# Altium PCB STM32F405.PcbDoc (part 3 of 5)
Units mm, origin at the board's own origin, x right, y up, seen from the top; angles counter-clockwise.
Board outline 430.02 x 145.03 mm, 2 copper layers (Top Layer, Bottom Layer); 243 components, 243 nets, 1346 pads, 2611 vias.
Unrouted connection lines stored in the file: 128.
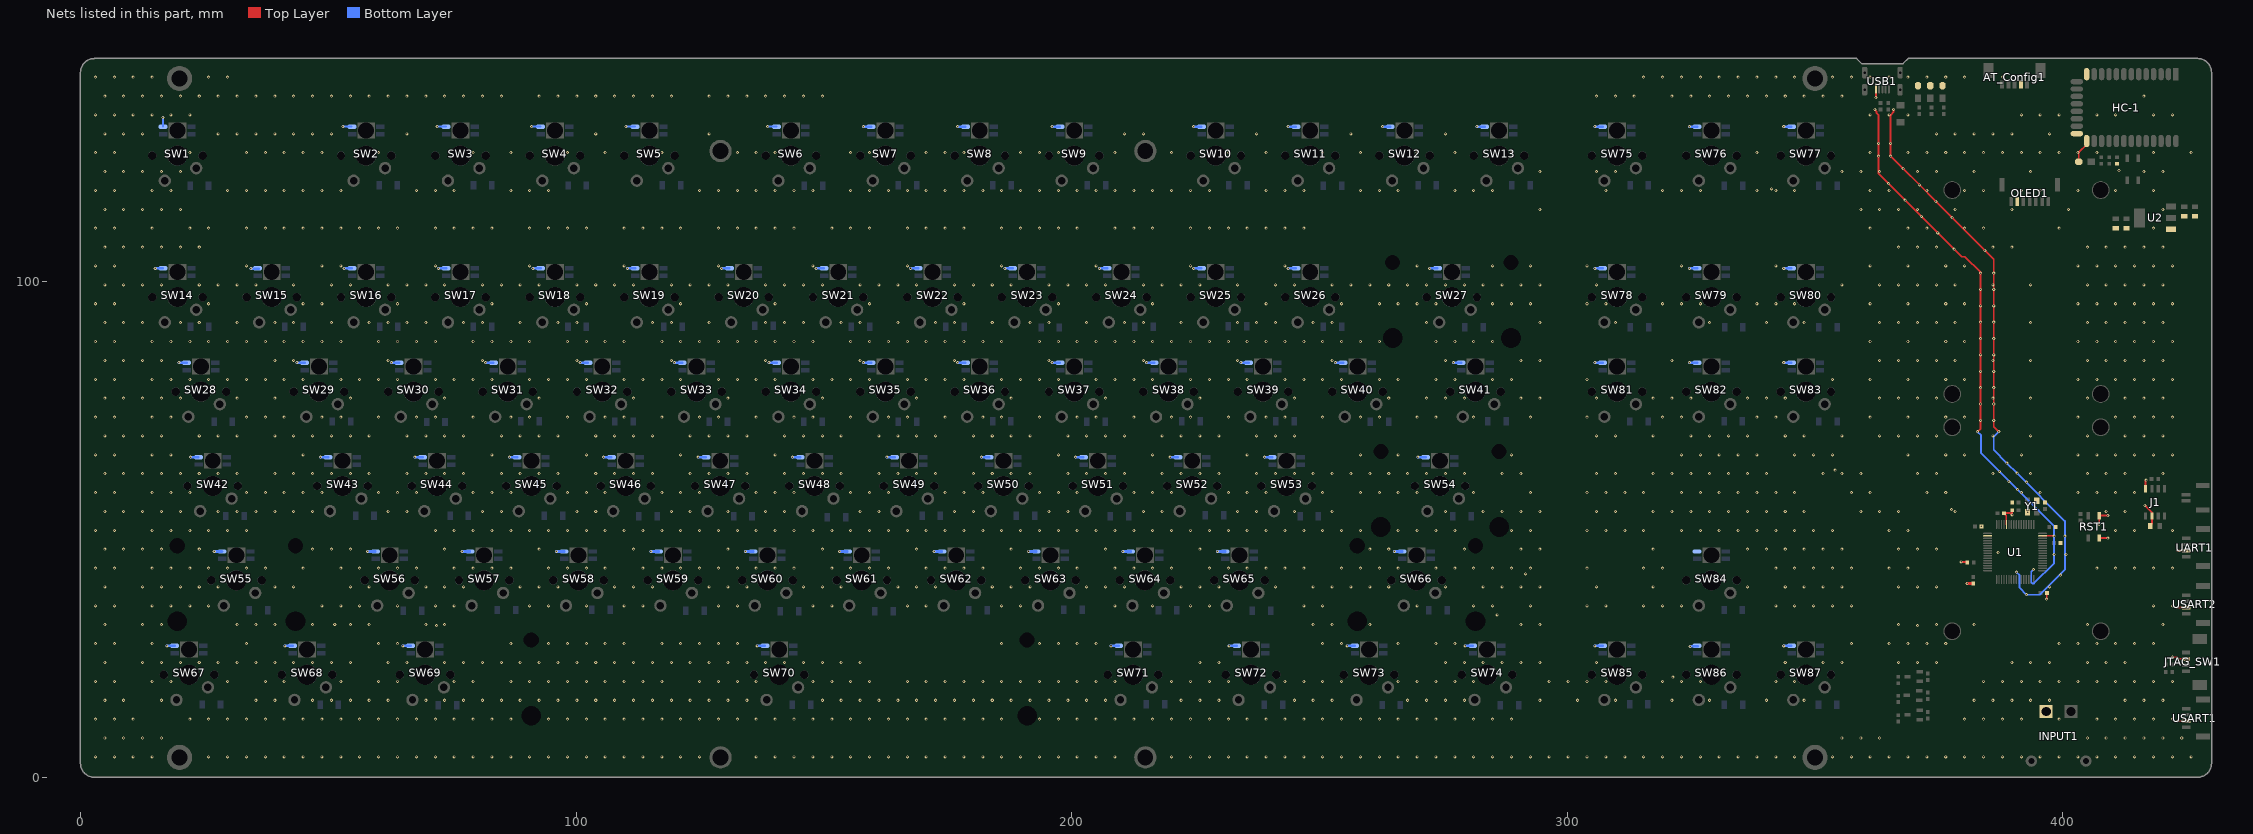
[diagram p3: the nets of this part, all layers, seen from the top]

## Via types
v1: diameter 0.61, hole 0.305, Top Layer to Bottom Layer, tented both sides, 2611 vias

## Nets (pads, with @x,y where several pads share a name; then routed paths per layer and width w, separated by ;. In a path a pad name is that pad's centre, name@x,y a point inside that pad or via, vN(x,y) a via of type N, cw(c..) or ccw(c..) an arc to the next point about the centre after c; other vN are vias at no path point) (continued)
L_GND: AT_Config1.2 C1.1 C2.1 C3.1 C4.2 C5.1 C6.1 C7.1 C8.1 C9.1 C10.1 C11.1 C12.1 C13.2 HC-1.13 HC-1.21 HC-1.22 INPUT1.1 J1.2 J1.8 JTAG_SW1.3 LED1.2 LED2.2 LED3.2 LED4.2 OLED1.6 R1.2 R3.1 R15.1 RST1.2 SW1.5 SW2.5 SW3.5 SW4.5 SW5.5 SW6.5 SW7.5 SW8.5 SW9.5 SW10.5 SW11.5 SW12.5 SW13.5 SW14.5 SW15.5 SW16.5 SW17.5 SW18.5 SW19.5 SW20.5 SW21.5 SW22.5 SW23.5 SW24.5 SW25.5 SW26.5 SW27.5 SW28.5 SW29.5 SW30.5 SW31.5 SW32.5 SW33.5 SW34.5 SW35.5 SW36.5 SW37.5 SW38.5 SW39.5 SW40.5 SW41.5 SW42.5 SW43.5 SW44.5 SW45.5 SW46.5 SW47.5 SW48.5 SW49.5 SW50.5 SW51.5 SW52.5 SW53.5 SW54.5 SW55.5 SW56.5 SW57.5 SW58.5 SW59.5 SW60.5 SW61.5 SW62.5 SW63.5 SW64.5 SW65.5 SW66.5 SW67.5 SW68.5 SW69.5 SW70.5 SW71.5 SW72.5 SW73.5 SW74.5 SW75.5 SW76.5 SW77.5 SW78.5 SW79.5 SW80.5 SW81.5 SW82.5 SW83.5 SW84.5 SW85.5 SW86.5 SW87.5 U1.12 U1.18 U1.63 U2.1 UART1.2 USART1.2 USART2.2 USB1.5 Y1.2 Y1.4 | length 414.2
  Top Layer w0.254: C5.1@388.154,53.284 388.648,52.79 U1.12@388.648,50.993 ; U1.63@395.948,48.693 395.953,48.689 398.224,48.689 v1(398.272,48.641) ; v1(422.109,24.257) 423.037,24.257 423.418,23.876 424.822,23.876 JTAG_SW1.3@424.831,23.885
  Top Layer w0.381: v1(362.077,134.747) 362.077,134.685 362.453,134.309 362.453,133.99 362.839,133.604 v1(362.839,127.889) v1(362.839,125.349) 362.839,121.793 v1(364.871,119.761) v1(368.173,116.459) v1(371.475,113.157) v1(374.777,109.855) v1(378.079,106.553) 379.603,105.029 380.238,105.029 383.413,101.854 v1(383.413,88.519) v1(383.413,85.217) v1(383.413,81.915) v1(383.413,78.613) v1(383.413,75.311) v1(383.413,72.009) 383.413,70.358 v1(382.778,69.723) ; v1@362.312,137.138 USB1.5@362.312,138.896 ; v1(365.887,134.747) 365.843,134.703 365.843,134.195 365.252,133.604 v1(365.252,127.889) v1(365.252,125.349) v1(367.792,122.809) v1(371.094,119.507) v1(374.396,116.205) v1(377.698,112.903) v1(384.302,106.299) 386.08,104.521 v1(386.08,88.519) v1(386.08,85.217) v1(386.08,81.915) v1(386.08,78.613) v1(386.08,75.311) v1(386.08,72.009) 386.08,70.739 v1(387.096,69.723) ; v1(379.476,43.434) 379.52,43.39 380.648,43.39 R3.1@380.731,43.307 ; C5.1@388.154,53.284 389.376,53.284 389.701,52.959 v1(389.763,52.959) 389.776,52.972 389.776,53.877 C8.1@389.79,53.89 ; v1(396.748,35.941) 396.777,35.97 396.777,37.156 C2.1@396.805,37.184 ; LED4.2@403.225,124.206 403.225,126.067 404.836,127.678 HC-1.22@404.836,128.378 ; RST1.2@407.361,48.275 v1@409.119,48.275 ; v1@407.361,51.017 RST1.2@407.361,52.775 v1@409.119,52.775 ; v1(416.56,54.864) 417.985,53.439 J1.2@417.985,52.717 417.985,51.207 417.642,50.864 C13.2@417.642,50.673 ; J1.8@416.715,58.217 416.715,59.845 v1(416.814,59.944) ; v1@423.164,34.163 423.24,34.239 USART2.2@424.931,34.239 ; v1(423.164,45.72) 423.173,45.711 UART1.2@424.931,45.711 ; v1@423.173,11.323 USART1.2@424.931,11.323
  Top Layer w0.61: v1(380.728,39.098) C6.1@381.96,39.098
  Bottom Layer w0.381: v1(16.637,133.096) 16.649,133.084 SW1.5@16.649,131.275 ; v1@52.94,131.275 SW2.5@54.749,131.275 ; v1@71.99,131.275 SW3.5@73.799,131.275 ; v1@91.04,131.275 SW4.5@92.849,131.275 ; v1@110.09,131.275 SW5.5@111.899,131.275 ; v1@138.665,131.275 SW6.5@140.474,131.275 ; v1(382.778,69.723) 383.54,68.961 383.54,65.405 v1(387.223,61.722) v1(390.906,58.039) 398.272,50.673 v1(398.272,48.641) v1(398.272,44.958) 398.272,43.18 394.187,39.095 393.871,39.095 393.648,39.318 393.648,41.477 v1(394.081,41.91) ; v1(387.096,69.723) 386.08,68.707 386.08,66.04 v1(388.747,63.373) v1(390.779,61.341) 400.431,51.689 400.431,41.91 395.351,36.83 v1(392.684,36.83) 391.287,38.227 391.287,40.767 v1(390.652,41.402)
  Bottom Layer w0.508: v1(15.089,102.699) SW14.5@16.649,102.699 ; v1(17.449,26.513) SW67.5@19.009,26.513 ; v1(19.851,83.649) SW28.5@21.412,83.649 ; v1(22.219,64.601) SW42.5@23.779,64.601 ; v1(26.995,45.549) SW55.5@28.555,45.549 ; v1(34.381,102.616) SW15.5@35.941,102.616 ; v1(41.261,26.513) SW68.5@42.821,26.513 ; v1(43.664,83.649) SW29.5@45.224,83.649 ; v1(48.426,64.599) SW43.5@49.987,64.599 ; v1(53.189,102.699) SW16.5@54.749,102.699 ; v1(57.951,45.549) SW56.5@59.512,45.549 ; v1(62.714,83.649) SW30.5@64.274,83.649 ; v1(65.074,26.513) SW69.5@66.634,26.513 ; v1(67.476,64.599) SW44.5@69.037,64.599 ; v1(72.239,102.699) SW17.5@73.799,102.699 ; v1(77.001,45.549) SW57.5@78.562,45.549 ; v1(81.764,83.649) SW31.5@83.324,83.649 ; v1(86.526,64.599) SW45.5@88.087,64.599 ; v1(91.289,102.699) SW18.5@92.849,102.699 ; v1(96.052,45.549) SW58.5@97.612,45.549 ; v1(100.814,83.649) SW32.5@102.374,83.649 ; v1(105.577,64.599) SW46.5@107.137,64.599 ; v1(110.339,102.699) SW19.5@111.899,102.699 ; v1(115.102,45.549) SW59.5@116.662,45.549 ; v1(119.864,83.649) SW33.5@121.424,83.649 ; v1(124.627,64.599) SW47.5@126.187,64.599 ; v1(129.389,102.699) SW20.5@130.949,102.699 ; v1(134.152,45.549) SW60.5@135.712,45.549 ; v1(136.533,26.499) SW70.5@138.093,26.499 ; v1(138.914,83.649) SW34.5@140.474,83.649 ; v1(143.677,64.599) SW48.5@145.237,64.599 ; v1(148.439,102.699) SW21.5@149.999,102.699 ; v1(153.202,45.549) SW61.5@154.762,45.549 ; v1(157.964,83.649) SW35.5@159.524,83.649 ; v1(157.964,131.275) SW7.5@159.524,131.275 ; v1(162.727,64.599) SW49.5@164.287,64.599 ; v1(167.489,102.699) SW22.5@169.049,102.699 ; v1(172.252,45.549) SW62.5@173.812,45.549 ; v1(177.014,83.649) SW36.5@178.574,83.649 ; v1(177.014,131.275) SW8.5@178.574,131.275 ; v1(181.777,64.599) SW50.5@183.337,64.599 ; v1(186.539,102.699) SW23.5@188.099,102.699 ; v1(191.302,45.549) SW63.5@192.862,45.549 ; v1(196.064,83.649) SW37.5@197.624,83.649 ; v1(196.064,131.275) SW9.5@197.624,131.275 ; v1(200.827,64.599) SW51.5@202.387,64.599 ; v1(205.589,102.699) SW24.5@207.149,102.699 ; v1(207.948,26.513) SW71.5@209.509,26.513 ; v1(210.352,45.549) SW64.5@211.912,45.549 ; v1(215.114,83.649) SW38.5@216.674,83.649 ; v1(219.877,64.599) SW52.5@221.437,64.599 ; v1(224.639,102.699) SW25.5@226.199,102.699 ; v1(224.639,131.275) SW10.5@226.199,131.275 ; v1(229.402,45.549) SW65.5@230.962,45.549 ; v1(231.761,26.513) SW72.5@233.322,26.513 ; v1(234.164,83.649) SW39.5@235.724,83.649 ; v1(238.927,64.599) SW53.5@240.487,64.599 ; v1(243.689,102.699) SW26.5@245.249,102.699 ; v1(243.689,131.275) SW11.5@245.249,131.275 ; v1(253.214,83.649) SW40.5@254.774,83.649 ; v1(255.573,26.513) SW73.5@257.134,26.513 ; v1(262.739,131.275) SW12.5@264.299,131.275 ; v1(265.12,45.549) SW66.5@266.68,45.549 ; v1(269.883,64.599) SW54.5@271.443,64.599 ; v1(272.264,102.699) SW27.5@273.824,102.699 ; v1(277.027,83.649) SW41.5@278.587,83.649 ; v1(279.386,26.513) SW74.5@280.947,26.513 ; v1(281.789,131.275) SW13.5@283.349,131.275 ; v1(305.602,26.499) SW85.5@307.162,26.499 ; v1(305.602,83.649) SW81.5@307.162,83.649 ; v1(305.602,102.699) SW78.5@307.162,102.699 ; v1(305.602,131.275) SW75.5@307.162,131.275 ; v1(324.652,83.649) SW82.5@326.212,83.649 ; v1(324.652,102.699) SW79.5@326.212,102.699 ; v1(324.652,131.275) SW76.5@326.212,131.275 ; v1(324.83,26.416) SW86.5@326.39,26.416 ; v1(343.702,26.499) SW87.5@345.262,26.499 ; v1(343.702,83.649) SW83.5@345.262,83.649 ; v1(343.702,102.699) SW80.5@345.262,102.699 ; v1(343.702,131.275) SW77.5@345.262,131.275
  other v1: 3.011,4.104 6.821,4.104 10.631,4.104 14.441,4.104 25.871,4.104 29.681,4.104 33.491,4.104 37.301,4.104 41.111,4.104 44.921,4.104 48.731,4.104 52.541,4.104 56.351,4.104 60.161,4.104 63.971,4.104 67.781,4.104 71.591,4.104 75.401,4.104 79.211,4.104 83.021,4.104 86.831,4.104 90.641,4.104 94.451,4.104 98.261,4.104 102.071,4.104 105.881,4.104 109.691,4.104 113.501,4.104 117.311,4.104 121.121,4.104 124.931,4.104 136.361,4.104 140.171,4.104 143.981,4.104 147.791,4.104 151.601,4.104 155.411,4.104 159.221,4.104 163.031,4.104 166.841,4.104 170.651,4.104 174.461,4.104 178.271,4.104 182.081,4.104 185.891,4.104 189.701,4.104 193.511,4.104 197.321,4.104 201.131,4.104 204.941,4.104 208.751,4.104 220.181,4.104 223.991,4.104 227.801,4.104 231.611,4.104 235.421,4.104 239.231,4.104 243.041,4.104 246.851,4.104 250.661,4.104 254.471,4.104 258.281,4.104 262.091,4.104 265.901,4.104 269.711,4.104 273.521,4.104 277.331,4.104 281.141,4.104 284.951,4.104 288.761,4.104 292.571,4.104 296.381,4.104 300.191,4.104 304.001,4.104 307.811,4.104 311.621,4.104 315.431,4.104 319.241,4.104 323.051,4.104 326.861,4.104 330.671,4.104 334.481,4.104 338.291,4.104 342.101,4.104 345.911,4.104 353.531,4.104 357.341,4.104 361.151,4.104 364.961,4.104 368.771,4.104 372.581,4.104 376.391,4.104 380.201,4.104 384.011,4.104 387.821,4.104 391.631,4.104 395.441,4.104 399.251,4.104 403.061,4.104 406.871,4.104 410.681,4.104 414.491,4.104 418.301,4.104 422.111,4.104 425.921,4.104 4.916,7.914 8.726,7.914 12.536,7.914 16.346,7.914 355.436,7.914 359.246,7.914 363.056,7.914 404.966,7.914 408.776,7.914 412.586,7.914 416.396,7.914 420.206,7.914 424.016,7.914 423.164,11.332 3.011,11.724 6.821,11.724 10.631,11.724 22.061,11.724 25.871,11.724 29.681,11.724 33.491,11.724 37.301,11.724 41.111,11.724 44.921,11.724 48.731,11.724 52.541,11.724 56.351,11.724 60.161,11.724 63.971,11.724 67.781,11.724 71.591,11.724 75.401,11.724 79.211,11.724 83.021,11.724 86.831,11.724 94.451,11.724 98.261,11.724 102.071,11.724 105.881,11.724 109.691,11.724 113.501,11.724 117.311,11.724 121.121,11.724 124.931,11.724 128.741,11.724 132.551,11.724 136.361,11.724 140.171,11.724 143.981,11.724 147.791,11.724 151.601,11.724 155.411,11.724 159.221,11.724 163.031,11.724 166.841,11.724 170.651,11.724 174.461,11.724 178.271,11.724 182.081,11.724 185.891,11.724 193.511,11.724 197.321,11.724 201.131,11.724 204.941,11.724 208.751,11.724 212.561,11.724 216.371,11.724 220.181,11.724 223.991,11.724 227.801,11.724 231.611,11.724 235.421,11.724 239.231,11.724 243.041,11.724 246.851,11.724 250.661,11.724 254.471,11.724 258.281,11.724 262.091,11.724 265.901,11.724 269.711,11.724 273.521,11.724 277.331,11.724 281.141,11.724 284.951,11.724 288.761,11.724 380.201,11.724 384.011,11.724 387.821,11.724 391.631,11.724 399.251,11.724 406.871,11.724 410.681,11.724 414.491,11.724 418.301,11.724 422.111,11.724 4.916,15.534 8.726,15.534 16.346,15.534 35.396,15.534 39.206,15.534 46.826,15.534 50.636,15.534 54.446,15.534 58.256,15.534 62.066,15.534 69.686,15.534 73.496,15.534 77.306,15.534 81.116,15.534 84.926,15.534 88.736,15.534 92.546,15.534 96.356,15.534 100.166,15.534 103.976,15.534 107.786,15.534 111.596,15.534 115.406,15.534 119.216,15.534 123.026,15.534 126.836,15.534 130.646,15.534 134.456,15.534 149.696,15.534 153.506,15.534 157.316,15.534 161.126,15.534 164.936,15.534 168.746,15.534 172.556,15.534 176.366,15.534 180.176,15.534 183.986,15.534 187.796,15.534 191.606,15.534 195.416,15.534 199.226,15.534 203.036,15.534 206.846,15.534 222.086,15.534 225.896,15.534 229.706,15.534 244.946,15.534 248.756,15.534 252.566,15.534 267.806,15.534 271.616,15.534 275.426,15.534 279.236,15.534 294.476,15.534 302.096,15.534 309.716,15.534 321.146,15.534 328.766,15.534 340.196,15.534 347.816,15.534 382.106,15.534 385.916,15.534 389.726,15.534 393.536,15.534 397.346,15.534 412.586,15.534 416.396,15.534 420.206,15.534 3.011,19.344 6.821,19.344 14.441,19.344 18.251,19.344 29.681,19.344 37.301,19.344 41.111,19.344 52.541,19.344 60.161,19.344 63.971,19.344 75.401,19.344 79.211,19.344 86.831,19.344 90.641,19.344 94.451,19.344 98.261,19.344 102.071,19.344 105.881,19.344 109.691,19.344 113.501,19.344 117.311,19.344 124.931,19.344 128.741,19.344 132.551,19.344 136.361,19.344 147.791,19.344 151.601,19.344 155.411,19.344 159.221,19.344 166.841,19.344 170.651,19.344 174.461,19.344 178.271,19.344 182.081,19.344 185.891,19.344 189.701,19.344 193.511,19.344 197.321,19.344 201.131,19.344 204.941,19.344 208.751,19.344 220.181,19.344 223.991,19.344 227.801,19.344 231.611,19.344 243.041,19.344 246.851,19.344 250.661,19.344 254.471,19.344 265.901,19.344 269.711,19.344 273.521,19.344 277.331,19.344 281.141,19.344 296.381,19.344 300.191,19.344 304.001,19.344 307.811,19.344 319.241,19.344 323.051,19.344 326.861,19.344 342.101,19.344 345.911,19.344 384.011,19.344 387.821,19.344 391.631,19.344 395.441,19.344 399.251,19.344 403.061,19.344 406.871,19.344 410.681,19.344 414.491,19.344 418.301,19.344 422.111,19.344 321.31,20.193 4.916,23.154 12.536,23.154 16.346,23.154 20.156,23.154 23.966,23.154 27.776,23.154 31.586,23.154 35.396,23.154 39.206,23.154 43.016,23.154 46.826,23.154 50.636,23.154 54.446,23.154 62.066,23.154 65.876,23.154 73.496,23.154 77.306,23.154 81.116,23.154 84.926,23.154 88.736,23.154 92.546,23.154 96.356,23.154 100.166,23.154 103.976,23.154 107.786,23.154 111.596,23.154 115.406,23.154 119.216,23.154 123.026,23.154 126.836,23.154 130.646,23.154 134.456,23.154 138.266,23.154 142.076,23.154 145.886,23.154 149.696,23.154 153.506,23.154 157.316,23.154 225.896,23.154 229.706,23.154 275.426,23.154 279.236,23.154 283.046,23.154 286.856,23.154 290.666,23.154 294.476,23.154 305.906,23.154 344.006,23.154 351.626,23.154 355.436,23.154 366.866,23.154 370.676,23.154 374.486,23.154 389.726,23.154 393.536,23.154 397.346,23.154 404.966,23.154 408.776,23.154 412.586,23.154 3.011,26.964 6.821,26.964 14.441,26.964 33.491,26.964 60.161,26.964 63.971,26.964 86.831,26.964 94.451,26.964 98.261,26.964 102.071,26.964 105.881,26.964 109.691,26.964 117.311,26.964 121.121,26.964 124.931,26.964 128.741,26.964 132.551,26.964 185.891,26.964 193.511,26.964 197.321,26.964 201.131,26.964 204.941,26.964 250.661,26.964 254.471,26.964 265.901,26.964 273.521,26.964 277.331,26.964 357.341,26.964 364.961,26.964 368.771,26.964 372.581,26.964 376.391,26.964 399.251,26.964 403.061,26.964 406.871,26.964 410.681,26.964 414.491,26.964 418.301,26.964 71.882,30.607 370.713,30.607 4.916,30.774 12.536,30.774 16.346,30.774 31.586,30.774 35.396,30.774 39.206,30.774 46.826,30.774 54.446,30.774 58.256,30.774 69.686,30.774 73.496,30.774 248.756,30.774 252.566,30.774 260.186,30.774 290.666,30.774 294.476,30.774 366.866,30.774 374.486,30.774 382.106,30.774 404.966,30.774 420.206,30.774 51.308,30.861 285.877,32.766 423.202,34.201 3.011,34.584 6.821,34.584 14.441,34.584 18.251,34.584 22.061,34.584 25.871,34.584 48.731,34.584 52.541,34.584 56.351,34.584 63.971,34.584 71.591,34.584 75.401,34.584 90.641,34.584 94.451,34.584 102.071,34.584 109.691,34.584 113.501,34.584 128.741,34.584 132.551,34.584 147.791,34.584 151.601,34.584 166.841,34.584 170.651,34.584 185.891,34.584 189.701,34.584 208.751,34.584 216.371,34.584 223.991,34.584 227.801,34.584 246.851,34.584 250.661,34.584 269.711,34.584 281.141,34.584 284.951,34.584 292.571,34.584 304.001,34.584 307.811,34.584 315.431,34.584 319.241,34.584 323.051,34.584 342.101,34.584 345.911,34.584 349.721,34.584 353.531,34.584 357.341,34.584 418.301,34.584 422.111,34.584 4.916,38.394 12.536,38.394 16.346,38.394 20.156,38.394 23.966,38.394 27.776,38.394 39.206,38.394 43.016,38.394 54.446,38.394 58.256,38.394 69.686,38.394 73.496,38.394 77.306,38.394 88.736,38.394 92.546,38.394 96.356,38.394 107.786,38.394 111.596,38.394 115.406,38.394 126.836,38.394 130.646,38.394 134.456,38.394 145.886,38.394 149.696,38.394 153.506,38.394 164.936,38.394 168.746,38.394 172.556,38.394 183.986,38.394 187.796,38.394 191.606,38.394 203.036,38.394 206.846,38.394 210.656,38.394 222.086,38.394 225.896,38.394 229.706,38.394 241.136,38.394 248.756,38.394 252.566,38.394 256.376,38.394 260.186,38.394 263.996,38.394 275.426,38.394 283.046,38.394 286.856,38.394 290.666,38.394 294.476,38.394 305.906,38.394 317.336,38.394 336.386,38.394 344.006,38.394 347.816,38.394 351.626,38.394 355.436,38.394 366.866,38.394 370.676,38.394 374.486,38.394 397.346,38.394 399.542,40.767 291.592,41.021 3.011,42.204 6.821,42.204 14.441,42.204 18.251,42.204 22.061,42.204 25.871,42.204 29.681,42.204 33.491,42.204 37.301,42.204 44.921,42.204 52.541,42.204 56.351,42.204 60.161,42.204 63.971,42.204 67.781,42.204 75.401,42.204 79.211,42.204 83.021,42.204 86.831,42.204 94.451,42.204 98.261,42.204 102.071,42.204 105.881,42.204 113.501,42.204 117.311,42.204 121.121,42.204 124.931,42.204 128.741,42.204 132.551,42.204 136.361,42.204 140.171,42.204 143.981,42.204 151.601,42.204 155.411,42.204 159.221,42.204 163.031,42.204 170.651,42.204 174.461,42.204 178.271,42.204 182.081,42.204 189.701,42.204 193.511,42.204 197.321,42.204 201.131,42.204 208.751,42.204 212.561,42.204 216.371,42.204 220.181,42.204 227.801,42.204 231.611,42.204 235.421,42.204 239.231,42.204 243.041,42.204 246.851,42.204 254.471,42.204 258.281,42.204 262.091,42.204 265.901,42.204 273.521,42.204 277.331,42.204 281.141,42.204 284.951,42.204 288.761,42.204 292.571,42.204 304.001,42.204 315.431,42.204 319.241,42.204 342.101,42.204 345.911,42.204 349.721,42.204 353.531,42.204 357.341,42.204 364.961,42.204 368.771,42.204 406.871,42.204 410.681,42.204 414.491,42.204 418.301,42.204 422.111,42.204 400.685,44.958 386.969,45.339 4.916,46.014 8.726,46.014 12.536,46.014 16.346,46.014 23.966,46.014 46.826,46.014 50.636,46.014 54.446,46.014 73.496,46.014 92.546,46.014 111.596,46.014 130.646,46.014 149.696,46.014 168.746,46.014 187.796,46.014 206.846,46.014 225.896,46.014 260.186,46.014 263.996,46.014 279.236,46.014 290.666,46.014 294.476,46.014 317.336,46.014 336.386,46.014 340.196,46.014 344.006,46.014 347.816,46.014 351.626,46.014 355.436,46.014 366.866,46.014 370.676,46.014 374.486,46.014 409.128,48.267 400.431,48.641 3.011,49.824 6.821,49.824 14.441,49.824 18.251,49.824 22.061,49.824 25.871,49.824 29.681,49.824 33.491,49.824 71.591,49.824 75.401,49.824 79.211,49.824 83.021,49.824 86.831,49.824 90.641,49.824 94.451,49.824 98.261,49.824 102.071,49.824 105.881,49.824 109.691,49.824 113.501,49.824 117.311,49.824 121.121,49.824 124.931,49.824 128.741,49.824 132.551,49.824 136.361,49.824 140.171,49.824 143.981,49.824 147.791,49.824 151.601,49.824 155.411,49.824 159.221,49.824 163.031,49.824 166.841,49.824 170.651,49.824 174.461,49.824 178.271,49.824 182.081,49.824 185.891,49.824 189.701,49.824 193.511,49.824 197.321,49.824 201.131,49.824 204.941,49.824 208.751,49.824 212.561,49.824 216.371,49.824 220.181,49.824 223.991,49.824 227.801,49.824 231.611,49.824 235.421,49.824 239.231,49.824 243.041,49.824 246.851,49.824 250.661,49.824 254.471,49.824 258.281,49.824 265.901,49.824 269.711,49.824 273.521,49.824 277.331,49.824 288.761,49.824 292.571,49.824 304.001,49.824 307.811,49.824 311.621,49.824 315.431,49.824 323.051,49.824 326.861,49.824 330.671,49.824 334.481,49.824 338.291,49.824 342.101,49.824 345.911,49.824 349.721,49.824 353.531,49.824 364.961,49.824 368.771,49.824 410.681,49.824 414.491,49.824 422.111,49.824 383.597,50.617 407.352,51.008 409.128,52.767 392.908,53.495 4.916,53.634 8.726,53.634 12.536,53.634 16.346,53.634 20.156,53.634 27.776,53.634 31.586,53.634 35.396,53.634 39.206,53.634 43.016,53.634 46.826,53.634 62.066,53.634 65.876,53.634 81.116,53.634 84.926,53.634 100.166,53.634 103.976,53.634 119.216,53.634 123.026,53.634 130.646,53.634 138.266,53.634 142.076,53.634 157.316,53.634 161.126,53.634 176.366,53.634 180.176,53.634 195.416,53.634 199.226,53.634 214.466,53.634 218.276,53.634 233.516,53.634 237.326,53.634 244.946,53.634 252.566,53.634 275.426,53.634 283.046,53.634 286.856,53.634 290.666,53.634 294.476,53.634 305.906,53.634 309.716,53.634 317.336,53.634 321.146,53.634 324.956,53.634 328.766,53.634 332.576,53.634 336.386,53.634 340.196,53.634 344.006,53.634 347.816,53.634 359.246,53.634 363.056,53.634 366.866,53.634 378.296,53.634 408.776,53.634 412.586,53.634 377.571,53.975 3.011,57.444 6.821,57.444 14.441,57.444 18.251,57.444 22.061,57.444 33.491,57.444 37.301,57.444 41.111,57.444 44.921,57.444 48.731,57.444 60.161,57.444 63.971,57.444 67.781,57.444 79.211,57.444 83.021,57.444 86.831,57.444 98.261,57.444 102.071,57.444 105.881,57.444 117.311,57.444 121.121,57.444 124.931,57.444 136.361,57.444 140.171,57.444 143.981,57.444 155.411,57.444 159.221,57.444 163.031,57.444 174.461,57.444 178.271,57.444 182.081,57.444 193.511,57.444 197.321,57.444 201.131,57.444 212.561,57.444 216.371,57.444 220.181,57.444 231.611,57.444 235.421,57.444 239.231,57.444 250.661,57.444 258.281,57.444 262.091,57.444 265.901,57.444 269.711,57.444 281.141,57.444 292.571,57.444 304.001,57.444 307.811,57.444 311.621,57.444 315.431,57.444 323.051,57.444 326.861,57.444 330.671,57.444 334.481,57.444 338.291,57.444 342.101,57.444 345.911,57.444 357.341,57.444 361.151,57.444 372.581,57.444 376.391,57.444 391.631,57.444 395.441,57.444 403.061,57.444 406.871,57.444 410.681,57.444 414.491,57.444 392.684,59.563 389.128,59.69 4.916,61.254 8.726,61.254 12.536,61.254 16.346,61.254 20.156,61.254 23.966,61.254 27.776,61.254 31.586,61.254 39.206,61.254 43.016,61.254 46.826,61.254 50.636,61.254 54.446,61.254 58.256,61.254 65.876,61.254 69.686,61.254 73.496,61.254 77.306,61.254 84.926,61.254 88.736,61.254 92.546,61.254 96.356,61.254 103.976,61.254 107.786,61.254 111.596,61.254 115.406,61.254 123.026,61.254 126.836,61.254 130.646,61.254 134.456,61.254 142.076,61.254 145.886,61.254 149.696,61.254 153.506,61.254 161.126,61.254 164.936,61.254 168.746,61.254 172.556,61.254 180.176,61.254 183.986,61.254 187.796,61.254 191.606,61.254 199.226,61.254 203.036,61.254 206.846,61.254 210.656,61.254 218.276,61.254 222.086,61.254 225.896,61.254 229.706,61.254 237.326,61.254 241.136,61.254 244.946,61.254 248.756,61.254 252.566,61.254 256.376,61.254 260.186,61.254 263.996,61.254 267.806,61.254 271.616,61.254 275.426,61.254 279.236,61.254 286.856,61.254 290.666,61.254 305.906,61.254 309.716,61.254 317.336,61.254 321.146,61.254 324.956,61.254 328.766,61.254 332.576,61.254 336.386,61.254 340.196,61.254 351.626,61.254 355.436,61.254 359.246,61.254 370.676,61.254 374.486,61.254 385.916,61.254 393.536,61.254 404.966,61.254 408.776,61.254 412.586,61.254 420.206,61.254 354.076,61.976 3.011,65.064 6.821,65.064 14.441,65.064 18.251,65.064 44.921,65.064 83.021,65.064 102.071,65.064 121.121,65.064 140.171,65.064 197.321,65.064 216.371,65.064 235.421,65.064 258.281,65.064 265.901,65.064 288.761,65.064 323.051,65.064 326.861,65.064 330.671,65.064 334.481,65.064 338.291,65.064 345.911,65.064 349.721,65.064 353.531,65.064 368.771,65.064 376.391,65.064 380.201,65.064 391.631,65.064 403.061,65.064 406.871,65.064 410.681,65.064 414.491,65.064 418.301,65.064 422.111,65.064 4.916,68.874 8.726,68.874 12.536,68.874 16.346,68.874 23.966,68.874 27.776,68.874 31.586,68.874 39.206,68.874 43.016,68.874 46.826,68.874 50.636,68.874 54.446,68.874 58.256,68.874 65.876,68.874 69.686,68.874 73.496,68.874 77.306,68.874 84.926,68.874 88.736,68.874 92.546,68.874 96.356,68.874 103.976,68.874 107.786,68.874 111.596,68.874 115.406,68.874 123.026,68.874 126.836,68.874 130.646,68.874 134.456,68.874 142.076,68.874 145.886,68.874 149.696,68.874 153.506,68.874 161.126,68.874 164.936,68.874 168.746,68.874 172.556,68.874 180.176,68.874 183.986,68.874 187.796,68.874 191.606,68.874 199.226,68.874 203.036,68.874 206.846,68.874 210.656,68.874 218.276,68.874 222.086,68.874 225.896,68.874 229.706,68.874 237.326,68.874 241.136,68.874 244.946,68.874 305.906,68.874 309.716,68.874 317.336,68.874 324.956,68.874 328.766,68.874 332.576,68.874 336.386,68.874 344.006,68.874 347.816,68.874 355.436,68.874 363.056,68.874 366.866,68.874 370.676,68.874 374.486,68.874 385.916,68.874 393.536,68.874 404.966,68.874 412.586,68.874 416.396,68.874 420.206,68.874 3.011,72.684 6.821,72.684 14.441,72.684 18.251,72.684 33.491,72.684 37.301,72.684 41.111,72.684 48.731,72.684 52.541,72.684 60.161,72.684 67.781,72.684 71.591,72.684 79.211,72.684 86.831,72.684 90.641,72.684 98.261,72.684 105.881,72.684 109.691,72.684 117.311,72.684 124.931,72.684 128.741,72.684 136.361,72.684 143.981,72.684 147.791,72.684 155.411,72.684 163.031,72.684 166.841,72.684 174.461,72.684 182.081,72.684 185.891,72.684 193.511,72.684 201.131,72.684 204.941,72.684 212.561,72.684 220.181,72.684 223.991,72.684 231.611,72.684 239.231,72.684 243.041,72.684 250.661,72.684 258.281,72.684 262.091,72.684 269.711,72.684 273.521,72.684 281.141,72.684 292.571,72.684 304.001,72.684 319.241,72.684 323.051,72.684 338.291,72.684 342.101,72.684 361.151,72.684 368.771,72.684 376.391,72.684 380.201,72.684 403.061,72.684 410.681,72.684 414.491,72.684 418.301,72.684 422.111,72.684 4.916,76.494 8.726,76.494 12.536,76.494 16.346,76.494 20.156,76.494 31.586,76.494 39.206,76.494 54.446,76.494 73.496,76.494 92.546,76.494 111.596,76.494 130.646,76.494 149.696,76.494 168.746,76.494 187.796,76.494 206.846,76.494 225.896,76.494 244.946,76.494 263.996,76.494 271.616,76.494 275.426,76.494 279.236,76.494 290.666,76.494 294.476,76.494 305.906,76.494 317.336,76.494 321.146,76.494 324.956,76.494 336.386,76.494 340.196,76.494 344.006,76.494 363.056,76.494 366.866,76.494 370.676,76.494 374.486,76.494 385.916,76.494 393.536,76.494 404.966,76.494 412.586,76.494 416.396,76.494 420.206,76.494 3.011,80.304 6.821,80.304 14.441,80.304 18.251,80.304 22.061,80.304 25.871,80.304 29.681,80.304 33.491,80.304 37.301,80.304 41.111,80.304 44.921,80.304 52.541,80.304 56.351,80.304 60.161,80.304 63.971,80.304 71.591,80.304 75.401,80.304 79.211,80.304 83.021,80.304 90.641,80.304 94.451,80.304 98.261,80.304 102.071,80.304 109.691,80.304 113.501,80.304 117.311,80.304 121.121,80.304 128.741,80.304 132.551,80.304 136.361,80.304 140.171,80.304 147.791,80.304 151.601,80.304 155.411,80.304 159.221,80.304 166.841,80.304 170.651,80.304 174.461,80.304 178.271,80.304 185.891,80.304 189.701,80.304 193.511,80.304 197.321,80.304 204.941,80.304 208.751,80.304 212.561,80.304 216.371,80.304 223.991,80.304 227.801,80.304 231.611,80.304 235.421,80.304 243.041,80.304 246.851,80.304 250.661,80.304 254.471,80.304 262.091,80.304 265.901,80.304 273.521,80.304 277.331,80.304 284.951,80.304 288.761,80.304 304.001,80.304 353.531,80.304 361.151,80.304 368.771,80.304 376.391,80.304 380.201,80.304 403.061,80.304 406.871,80.304 410.681,80.304 414.491,80.304 418.301,80.304 422.111,80.304 4.916,84.114 8.726,84.114 12.536,84.114 16.346,84.114 39.206,84.114 43.016,84.114 62.066,84.114 81.116,84.114 100.166,84.114 119.216,84.114 138.266,84.114 157.316,84.114 176.366,84.114 195.416,84.114 214.466,84.114 233.516,84.114 252.566,84.114 275.426,84.114 290.666,84.114 294.476,84.114 321.146,84.114 363.056,84.114 366.866,84.114 370.676,84.114 374.486,84.114 378.296,84.114 385.916,84.114 393.536,84.114 404.966,84.114 408.776,84.114 412.586,84.114 416.396,84.114 420.206,84.114 3.011,87.924 6.821,87.924 14.441,87.924 18.251,87.924 22.061,87.924 25.871,87.924 29.681,87.924 33.491,87.924 37.301,87.924 41.111,87.924 44.921,87.924 48.731,87.924 52.541,87.924 60.161,87.924 63.971,87.924 67.781,87.924 71.591,87.924 79.211,87.924 83.021,87.924 86.831,87.924 90.641,87.924 98.261,87.924 102.071,87.924 105.881,87.924 109.691,87.924 117.311,87.924 121.121,87.924 124.931,87.924 128.741,87.924 132.551,87.924 136.361,87.924 140.171,87.924 143.981,87.924 147.791,87.924 155.411,87.924 159.221,87.924 163.031,87.924 166.841,87.924 170.651,87.924 174.461,87.924 178.271,87.924 182.081,87.924 185.891,87.924 193.511,87.924 197.321,87.924 201.131,87.924 204.941,87.924 208.751,87.924 212.561,87.924 216.371,87.924 220.181,87.924 223.991,87.924 227.801,87.924 231.611,87.924 235.421,87.924 239.231,87.924 243.041,87.924 246.851,87.924 250.661,87.924 254.471,87.924 258.281,87.924 262.091,87.924 273.521,87.924 277.331,87.924 281.141,87.924 284.951,87.924 361.151,87.924 368.771,87.924 376.391,87.924 380.201,87.924 403.061,87.924 406.871,87.924 410.681,87.924 414.491,87.924 418.301,87.924 422.111,87.924 4.916,91.734 8.726,91.734 12.536,91.734 20.156,91.734 23.966,91.734 31.586,91.734 39.206,91.734 43.016,91.734 50.636,91.734 58.256,91.734 62.066,91.734 65.876,91.734 69.686,91.734 77.306,91.734 81.116,91.734 88.736,91.734 96.356,91.734 100.166,91.734 115.406,91.734 119.216,91.734 126.836,91.734 138.266,91.734 142.076,91.734 145.886,91.734 153.506,91.734 157.316,91.734 164.936,91.734 172.556,91.734 176.366,91.734 183.986,91.734 191.606,91.734 195.416,91.734 203.036,91.734 210.656,91.734 214.466,91.734 222.086,91.734 233.516,91.734 237.326,91.734 241.136,91.734 248.756,91.734 252.566,91.734 271.616,91.734 294.476,91.734 309.716,91.734 328.766,91.734 340.196,91.734 347.816,91.734 363.056,91.734 366.866,91.734 370.676,91.734 374.486,91.734 378.296,91.734 393.536,91.734 404.966,91.734 408.776,91.734 412.586,91.734 416.396,91.734 420.206,91.734 383.413,91.821 386.08,91.821 383.413,95.123 386.08,95.123 3.011,95.544 6.821,95.544 25.871,95.544 44.921,95.544 48.731,95.544 63.971,95.544 83.021,95.544 102.071,95.544 121.121,95.544 140.171,95.544 159.221,95.544 178.271,95.544 197.321,95.544 216.371,95.544 239.231,95.544 254.471,95.544 262.091,95.544 265.901,95.544 269.711,95.544 273.521,95.544 284.951,95.544 288.761,95.544 292.571,95.544 304.001,95.544 307.811,95.544 319.241,95.544 323.051,95.544 326.861,95.544 338.291,95.544 342.101,95.544 345.911,95.544 361.151,95.544 368.771,95.544 376.391,95.544 380.201,95.544 403.061,95.544 406.871,95.544 410.681,95.544 414.491,95.544 418.301,95.544 422.111,95.544 383.413,98.425 386.08,98.425 4.916,99.354 8.726,99.354 12.536,99.354 16.346,99.354 23.966,99.354 27.776,99.354 31.586,99.354 35.396,99.354 43.016,99.354 50.636,99.354 54.446,99.354 62.066,99.354 65.876,99.354 69.686,99.354 73.496,99.354 81.116,99.354 84.926,99.354 88.736,99.354 92.546,99.354 100.166,99.354 103.976,99.354 107.786,99.354 111.596,99.354 119.216,99.354 123.026,99.354 126.836,99.354 130.646,99.354 138.266,99.354 142.076,99.354 145.886,99.354 149.696,99.354 157.316,99.354 161.126,99.354 164.936,99.354 168.746,99.354 176.366,99.354 180.176,99.354 183.986,99.354 187.796,99.354 195.416,99.354 199.226,99.354 203.036,99.354 206.846,99.354 214.466,99.354 218.276,99.354 222.086,99.354 225.896,99.354 233.516,99.354 241.136,99.354 244.946,99.354 252.566,99.354 256.376,99.354 260.186,99.354 263.996,99.354 267.806,99.354 271.616,99.354 275.426,99.354 279.236,99.354 283.046,99.354 286.856,99.354 290.666,99.354 294.476,99.354 305.906,99.354 355.436,99.354 363.056,99.354 366.866,99.354 370.676,99.354 374.486,99.354 378.296,99.354 385.916,99.354 393.536,99.354 404.966,99.354 408.776,99.354 412.586,99.354 416.396,99.354 420.206,99.354 383.413,101.727 386.08,101.727 3.011,103.164 6.821,103.164 33.491,103.164 48.731,103.164 52.541,103.164 71.591,103.164 90.641,103.164 109.691,103.164 128.741,103.164 147.791,103.164 166.841,103.164 185.891,103.164 204.941,103.164 223.991,103.164 243.041,103.164 269.711,103.164 284.951,103.164 292.571,103.164 304.001,103.164 323.051,103.164 342.101,103.164 361.151,103.164 368.771,103.164 376.391,103.164 380.201,103.164 403.061,103.164 406.871,103.164 410.681,103.164 414.491,103.164 418.301,103.164 422.111,103.164 4.916,106.974 8.726,106.974 12.536,106.974 16.346,106.974 20.156,106.974 23.966,106.974 366.866,106.974 370.676,106.974 374.486,106.974 385.916,106.974 389.726,106.974 404.966,106.974 408.776,106.974 412.586,106.974 416.396,106.974 420.206,106.974 3.011,110.784 6.821,110.784 14.441,110.784 22.061,110.784 25.871,110.784 33.491,110.784 37.301,110.784 41.111,110.784 44.921,110.784 48.731,110.784 52.541,110.784 56.351,110.784 60.161,110.784 63.971,110.784 71.591,110.784 75.401,110.784 79.211,110.784 83.021,110.784 90.641,110.784 94.451,110.784 98.261,110.784 102.071,110.784 109.691,110.784 113.501,110.784 117.311,110.784 121.121,110.784 128.741,110.784 132.551,110.784 136.361,110.784 140.171,110.784 143.981,110.784 151.601,110.784 155.411,110.784 159.221,110.784 166.841,110.784 170.651,110.784 174.461,110.784 178.271,110.784 185.891,110.784 189.701,110.784 193.511,110.784 197.321,110.784 201.131,110.784 208.751,110.784 212.561,110.784 216.371,110.784 223.991,110.784 227.801,110.784 231.611,110.784 235.421,110.784 239.231,110.784 243.041,110.784 246.851,110.784 361.151,110.784 368.771,110.784 372.581,110.784 380.201,110.784 384.011,110.784 399.251,110.784 418.301,110.784 4.916,114.594 8.726,114.594 12.536,114.594 16.346,114.594 20.156,114.594 294.476,114.594 359.246,114.594 363.056,114.594 366.866,114.594 370.676,114.594 378.296,114.594 389.726,114.594 401.156,114.594 420.206,114.594 3.011,118.404 6.821,118.404 14.441,118.404 18.251,118.404 29.681,118.404 33.491,118.404 37.301,118.404 41.111,118.404 44.921,118.404 48.731,118.404 52.541,118.404 67.781,118.404 71.591,118.404 75.401,118.404 86.831,118.404 90.641,118.404 94.451,118.404 124.931,118.404 128.741,118.404 132.551,118.404 136.361,118.404 140.171,118.404 143.981,118.404 147.791,118.404 155.411,118.404 159.221,118.404 163.031,118.404 166.841,118.404 170.651,118.404 174.461,118.404 178.271,118.404 182.081,118.404 185.891,118.404 189.701,118.404 193.511,118.404 197.321,118.404 201.131,118.404 204.941,118.404 208.751,118.404 212.561,118.404 216.371,118.404 220.181,118.404 223.991,118.404 227.801,118.404 239.231,118.404 243.041,118.404 246.851,118.404 258.281,118.404 262.091,118.404 265.901,118.404 277.331,118.404 281.141,118.404 284.951,118.404 307.811,118.404 319.241,118.404 323.051,118.404 326.861,118.404 338.291,118.404 342.101,118.404 345.911,118.404 361.151,118.404 364.961,118.404 372.581,118.404 380.201,118.404 384.011,118.404 391.631,118.404 395.441,118.404 403.061,118.404 410.681,118.404 418.301,118.404 341.249,118.745 4.916,122.214 8.726,122.214 12.536,122.214 16.346,122.214 20.156,122.214 294.476,122.214 305.906,122.214 309.716,122.214 355.436,122.214 359.246,122.214 363.056,122.214 370.676,122.214 374.486,122.214 382.106,122.214 393.536,122.214 416.396,122.214 420.206,122.214 411.353,122.428 3.011,126.024 6.821,126.024 22.061,126.024 33.491,126.024 37.301,126.024 41.111,126.024 44.921,126.024 48.731,126.024 60.161,126.024 79.211,126.024 86.831,126.024 98.261,126.024 105.881,126.024 117.311,126.024 132.551,126.024 136.361,126.024 140.171,126.024 155.411,126.024 159.221,126.024 170.651,126.024 174.461,126.024 178.271,126.024 189.701,126.024 193.511,126.024 197.321,126.024 208.751,126.024 220.181,126.024 231.611,126.024 239.231,126.024 250.661,126.024 258.281,126.024 269.711,126.024 277.331,126.024 288.761,126.024 338.291,126.024 361.151,126.024 368.771,126.024 372.581,126.024 376.391,126.024 380.201,126.024 384.011,126.024 387.821,126.024 391.631,126.024 395.441,126.024 399.251,126.024 403.061,126.024 406.871,126.024 418.301,126.024 425.921,126.024 4.916,129.834 8.726,129.834 12.536,129.834 27.776,129.834 31.586,129.834 35.396,129.834 39.206,129.834 43.016,129.834 46.826,129.834 50.636,129.834 65.876,129.834 103.976,129.834 126.836,129.834 210.656,129.834 214.466,129.834 237.326,129.834 256.376,129.834 275.426,129.834 374.486,129.834 378.296,129.834 382.106,129.834 385.916,129.834 389.726,129.834 397.346,129.834 52.928,131.263 71.978,131.263 91.028,131.263 110.078,131.263 138.653,131.263 3.011,133.644 6.821,133.644 10.631,133.644 14.441,133.644 18.251,133.644 22.061,133.644 361.151,133.644 364.961,133.644 368.771,133.644 391.631,133.644 395.441,133.644 399.251,133.644 406.871,133.644 410.681,133.644 418.301,133.644 422.111,133.644 362.303,137.129 4.916,137.454 8.726,137.454 12.536,137.454 16.346,137.454 20.156,137.454 23.966,137.454 27.776,137.454 31.586,137.454 35.396,137.454 39.206,137.454 43.016,137.454 46.826,137.454 50.636,137.454 54.446,137.454 58.256,137.454 62.066,137.454 65.876,137.454 69.686,137.454 73.496,137.454 77.306,137.454 81.116,137.454 84.926,137.454 92.546,137.454 96.356,137.454 100.166,137.454 103.976,137.454 107.786,137.454 111.596,137.454 115.406,137.454 119.216,137.454 126.836,137.454 130.646,137.454 134.456,137.454 138.266,137.454 142.076,137.454 145.886,137.454 149.696,137.454 305.906,137.454 309.716,137.454 313.526,137.454 321.146,137.454 324.956,137.454 328.766,137.454 332.576,137.454 336.386,137.454 340.196,137.454 344.006,137.454 347.816,137.454 351.626,137.454 355.436,137.454 416.396,137.454 3.011,141.264 6.821,141.264 10.631,141.264 14.441,141.264 25.871,141.264 29.681,141.264 315.431,141.264 319.241,141.264 323.051,141.264 326.861,141.264 330.671,141.264 334.481,141.264 338.291,141.264 342.101,141.264 345.911,141.264 353.531,141.264 357.341,141.264 361.151,141.264 364.961,141.264 368.771,141.264 372.581,141.264 376.391,141.264 380.201,141.264 387.821,141.264